# KiCad board M92 Bluetooth Adapter Motherboard.kicad_pcb (continued)
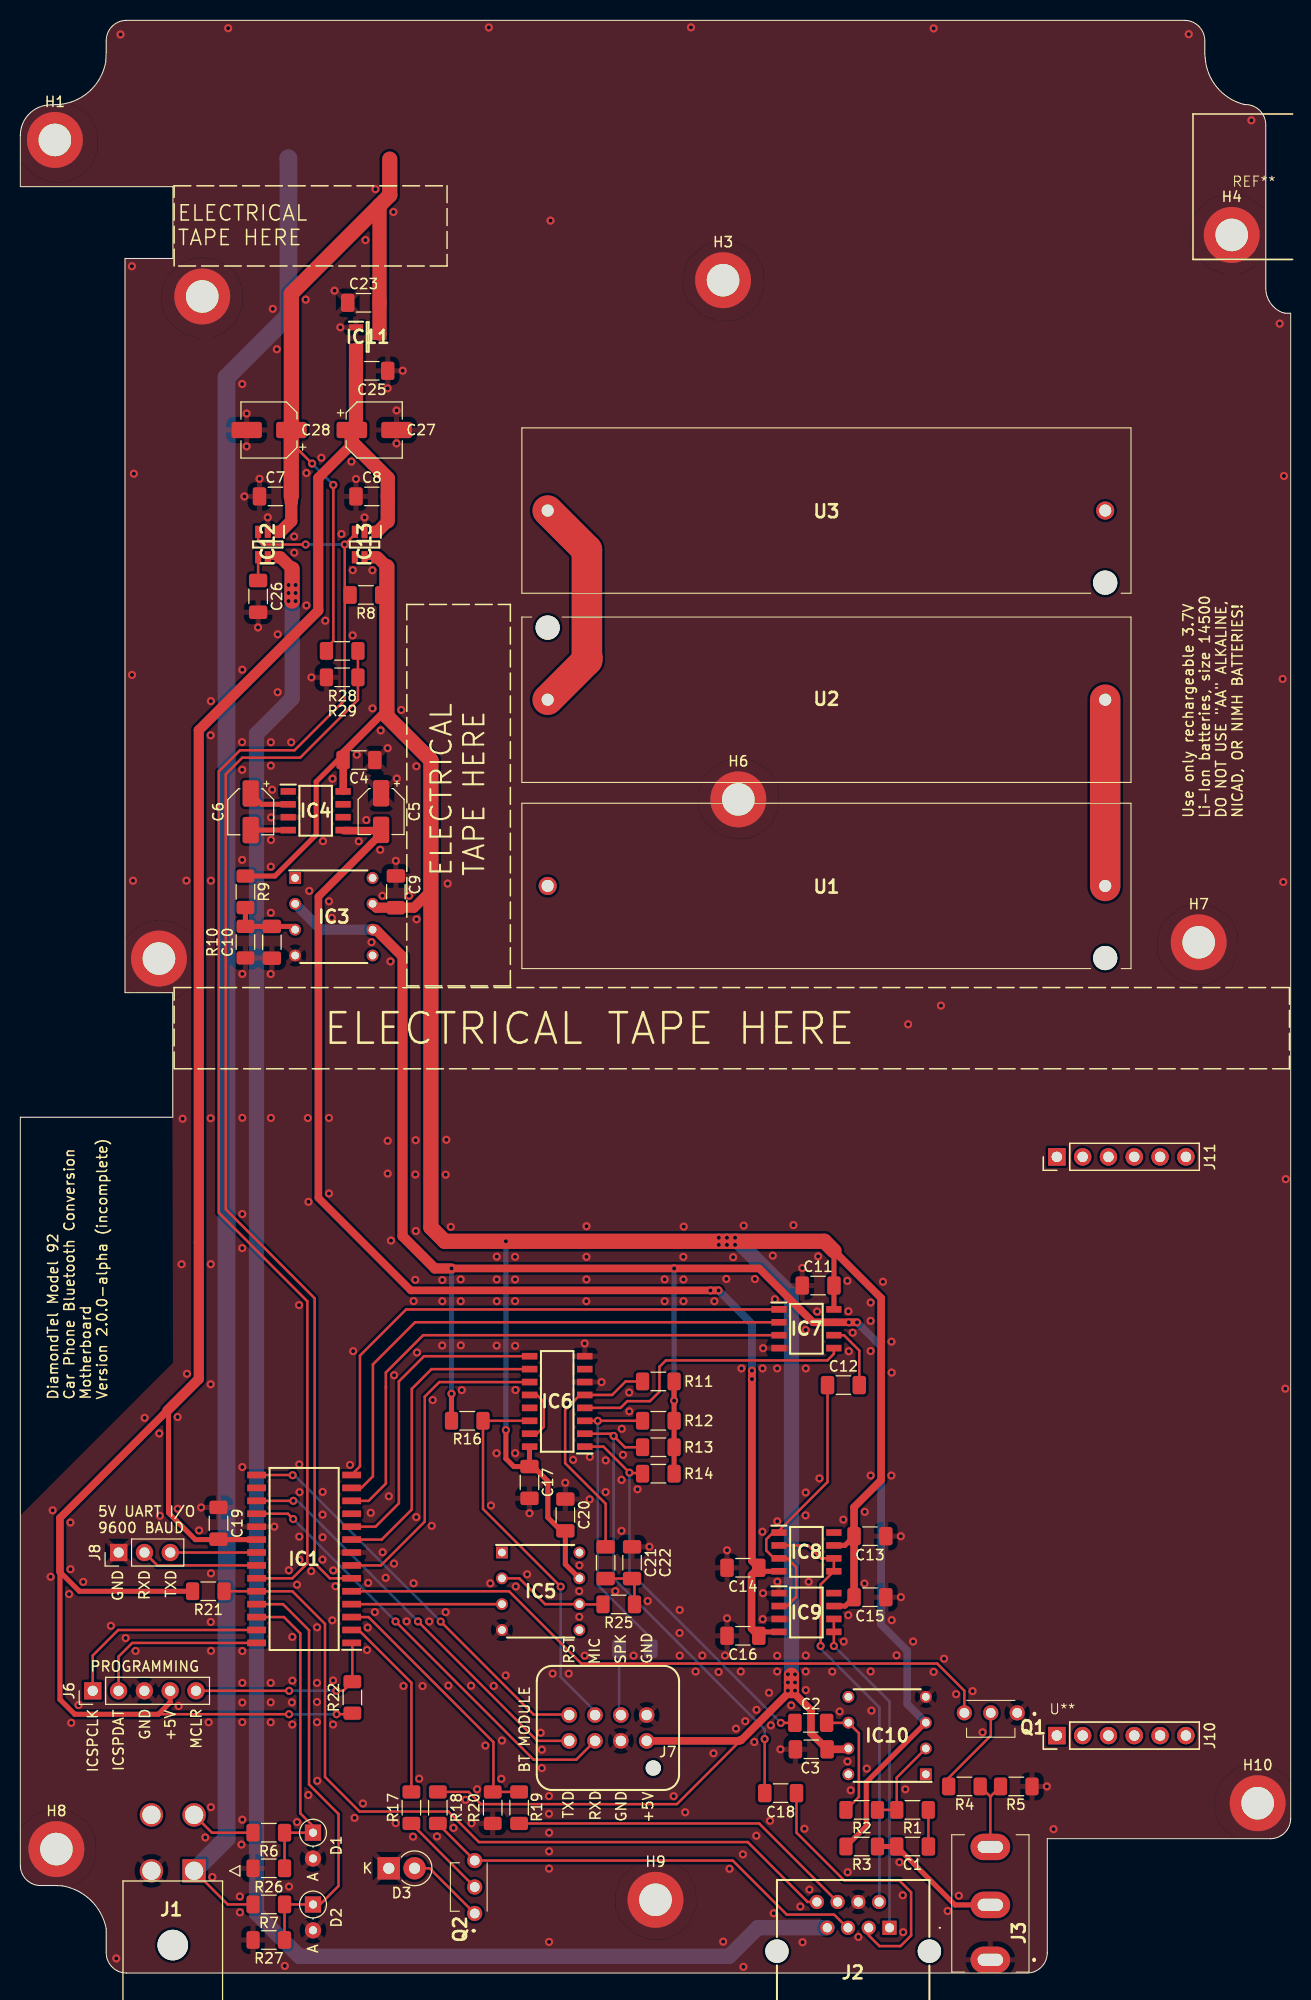
[diagram p0: board, top side]
## Library data of the parts (continued)
R25 = -: Description: Resistor; Height: 0.6; JLCPCB Part #: C465505; Manufacturer_Name: Bourns; Manufacturer_Part_Number: CR1206-FX-7501ELF; Mouser Part Number: 652-CR1206FX-7501ELF; Mouser Price/Stock: https://www.mouser.com/ProductDetail/Bourns/CR1206-FX-7501ELF?qs=x5wsLs3ZZ83yIqak1mVbqw%3D%3D
R28 = -: Description: Resistor; Height: 0.6; JLCPCB Part #: C286669; Manufacturer_Name: Bourns; Manufacturer_Part_Number: CR1206-FX-5603ELF; Mouser Part Number: 652-CR1206FX-5603ELF; Mouser Price/Stock: https://www.mouser.com/ProductDetail/Bourns/CR1206-FX-5603ELF?qs=O4EQhShwvro3dlk2jEyADg%3D%3D
R29 = -: Description: Resistor; Height: 0.6; JLCPCB Part #: C491352; Manufacturer_Name: Bourns; Manufacturer_Part_Number: CR1206-FX-3303ELF; Mouser Part Number: 652-CR1206FX-3303ELF; Mouser Price/Stock: https://www.mouser.com/ProductDetail/Bourns/CR1206-FX-3303ELF?qs=raSpJxvwqHE5WwCUcAsRuA%3D%3D
U1-U3 = -: Description: KEYSTONE - 1028 - BATTERY HOLDER, 1 CELL, AA; Height: 15.49; JLCPCB Part #: C238063; Manufacturer: Keystone Electronics

## Footprints (pads in the part's own frame, mm; a bottom-side part is the same pattern mirrored in y, then rotated)
1028
  round 2.38 hole 2.38 unplated: (0,7.09)
  round 1.785 hole 1.19: 1(0,0) 2(54.86,0)
172448-YY04
  round 3 hole 3 unplated: (-2.1,-7.3)
  rect 2.3x2.3 hole 1.8: 1(0,0)
  round 2.3 hole 1.8: 2(-4.2,0) 3(0,5.5) 4(-4.2,5.5)
BC33740TA
  round 1.493 hole 0.96: 1(-1.7,-0.585) 2(0.9,-0.585) 3(3.5,-0.585)
C_1206_3216Metric_Pad1.33x1.80mm_HandSolder
  rrect 1.325x1.8 smd: 1(-1.562,0) 2(1.562,0)
CP_Elec_4x5.4
  rrect 2.6x1.6 smd: 1(-1.8,0) 2(1.8,0)
CP_Elec_5x5.4
  rrect 3x1.6 smd: 1(-2.2,0) 2(2.2,0)
D_DO-35_SOD27_P2.54mm_Vertical_AnodeUp
  rect 1.6x1.6 hole 0.8: 1(0,0)
  oval 1.6x1.6 hole 0.8: 2(2.54,0)
D_DO-41_SOD81_P2.54mm_Vertical_KathodeUp
  rect 2.2x2.2 hole 1.1: 1(0,0)
  oval 2.2x2.2 hole 1.1: 2(2.54,0)
DIP762W56P254L880H425Q8N
  rect 1.16x1.16 hole 0.76: 1(-3.81,3.81)
  round 1.16 hole 0.76: 2(-3.81,1.27) 3(-3.81,-1.27) 4(-3.81,-3.81) 5(3.81,-3.81) 6(3.81,-1.27) 7(3.81,1.27) 8(3.81,3.81)
JAE_DRA-8SC-F0
  round 1.5 hole 1.5 unplated: (-0.65,5.21)
  round 1.53 hole 1.02: 1(0,0) 2(2.54,0) 3(5.08,0) 4(7.62,0) 5(0,2.54) 6(2.54,2.54) 7(5.08,2.54) 8(7.62,2.54)
KYCON_GLX-N-88M
  round 2.3 hole 2.3 unplated: (-11.07,-2.3) (3.93,-2.3)
  rect 1.4x1.4 hole 0.9: 1(0,0)
  round 1.4 hole 0.9: 2(-1.02,2.54) 3(-2.04,0) 4(-3.06,2.54) 5(-4.08,0) 6(-5.1,2.54) 7(-6.12,0) 8(-7.14,2.54)
MJ3502N
  oval 2.6x3.9 hole 1.2x2.5: 1(0,0) 2(5.4,0) 3(11.1,0)
MountingHole_3.2mm_M3_ISO14580_Pad
  round 5.5 hole 3.2: 1(0,0)
PinHeader_1x03_P2.54mm_Vertical
  rect 1.7x1.7 hole 1: 1(0,0)
  oval 1.7x1.7 hole 1: 2(0,-2.54) 3(0,-5.08)
PinHeader_1x05_P2.54mm_Vertical
  rect 1.7x1.7 hole 1: 1(0,0)
  oval 1.7x1.7 hole 1: 2(0,-2.54) 3(0,-5.08) 4(0,-7.62) 5(0,-10.16)
PinHeader_1x06_P2.54mm_Vertical
  rect 1.7x1.7 hole 1: 1(0,0)
  oval 1.7x1.7 hole 1: 2(0,-2.54) 3(0,-5.08) 4(0,-7.62) 5(0,-10.16) 6(0,-12.7)
Programming Port
  rect 1.7x1.7 hole 1: 1(-0.05,0) 7(-0.05,56.9)
  oval 1.7x1.7 hole 1: 2(2.49,0) 3(5.03,0) 4(7.57,0) 5(10.11,0) 6(12.65,0) 8(2.49,56.9) 9(5.03,56.9) 10(7.57,56.9) 11(10.11,56.9) 12(12.65,56.9)
R_1206_3216Metric_Pad1.30x1.75mm_HandSolder
  rrect 1.3x1.75 smd: 1(-1.55,0) 2(1.55,0)
SOIC127P600X175-8N
  rect 1.5x0.65 smd: 1(-2.7,1.905) 2(-2.7,0.635) 3(-2.7,-0.635) 4(-2.7,-1.905) 5(2.7,-1.905) 6(2.7,-0.635) 7(2.7,0.635) 8(2.7,1.905)
SOIC127P600X175-16N
  rect 1.525x0.65 smd: 1(-2.712,4.445) 2(-2.712,3.175) 3(-2.712,1.905) 4(-2.712,0.635) 5(-2.712,-0.635) 6(-2.712,-1.905) 7(-2.712,-3.175) 8(-2.712,-4.445) 9(2.712,-4.445) 10(2.712,-3.175) 11(2.712,-1.905) 12(2.712,-0.635) 13(2.712,0.635) 14(2.712,1.905) 15(2.712,3.175) 16(2.712,4.445)
SOIC127P1030X265-28N
  rect 1.85x0.65 smd: 1(-4.675,8.255) 2(-4.675,6.985) 3(-4.675,5.715) 4(-4.675,4.445) 5(-4.675,3.175) 6(-4.675,1.905) 7(-4.675,0.635) 8(-4.675,-0.635) 9(-4.675,-1.905) 10(-4.675,-3.175) 11(-4.675,-4.445) 12(-4.675,-5.715) 13(-4.675,-6.985) 14(-4.675,-8.255) 15(4.675,-8.255) 16(4.675,-6.985) 17(4.675,-5.715) 18(4.675,-4.445) 19(4.675,-3.175) 20(4.675,-1.905) 21(4.675,-0.635) 22(4.675,0.635) 23(4.675,1.905) 24(4.675,3.175) 25(4.675,4.445) 26(4.675,5.715) 27(4.675,6.985) 28(4.675,8.255)
SOT95P255X145-3N
  rect 1.4x0.6 smd: 1(-1.15,0.95) 2(-1.15,-0.95) 3(1.15,0)
SOT95P280X145-6N
  rect 1.2x0.6 smd: 1(-1.25,0.95) 2(-1.25,0) 3(-1.25,-0.95) 4(1.25,-0.95) 5(1.25,0) 6(1.25,0.95)

## Nets
+2V5_Switched: IC3.2 IC3.6 IC7.7 IC10.3 R3.1 R11.2 R12.2 R13.2 R14.2 R16.1
+5V: C8.1 C19.2 C25.2 C27.1 IC1.20 IC11.2 IC13.1 J6.4 R21.1 R22.1
+5V_Switched: C3.2 C4.2 C9.2 C11.1 C13.1 C15.1 C17.1 C20.1 IC3.7 IC4.8 IC5.7 IC6.16 IC7.8 IC8.7 IC9.7 IC10.7 IC13.5 IC13.6 J7.5 R8.1 R9.1 R18.1
-5V_Switched: C5.2 C14.1 C16.1 IC4.5 IC8.4 IC9.4
GND: C3.1 C4.1 C5.1 C7.2 C8.2 C9.1 C10.2 C11.2 C13.2 C14.2 C15.2 C16.2 C17.2 C19.1 C20.2 C22.1 C23.2 C25.1 C26.2 C27.2 C28.2 D1.2 D2.2 D3.1 H1.1 H2.1 H3.1 H4.1 H5.1 H6.1 H7.1 H8.1 H9.1 H10.1 IC1.8 IC1.19 IC3.4 IC4.3 IC5.4 IC6.6 IC6.8 IC7.4 IC9.1 IC9.3 IC10.4 IC11.1 IC12.2 IC13.2 J1.2 J2.4 J3.1 J6.3 J7.1 J7.6 J8.1 Q1.1 R5.1 R10.2 R20.2 R26.1 R27.1 R29.2
+BATT: C7.1 C23.1 C28.1 IC11.3 IC12.1 R28.1
+BATT_Switched: IC12.5 IC12.6 J2.7
/Audio/Audio Out (Volume-Adjusted): C12.1 IC8.1 IC8.3 IC9.2
/Power Supply/External Power Supply Voltage (5-24V): J1.1 R7.2
AUDIO_OUT: IC6.4 IC7.5
BT_AUDIO: C24.1 IC6.3 R12.1
BT_MIC_AUDIO: IC6.14 J7.3 R16.2
DIFF_AUDIO_OUT: IC8.2 IC8.5 IC8.6 J2.2
EXT_MIC_AUDIO: C2.1 IC6.1 R14.1
HANDSET_MIC_AUDIO: C18.1 IC6.2 R13.1
HANDSET_UART_RX: J2.5 Q2.3 R18.2
HANDSET_UART_TX: J2.6 R19.2
MCU_AUDIO_DAC: IC1.4 IC5.3
MCU_AUDIO_FILTERED: C21.2 IC6.5 R11.1
MCU_BATT_VOLTAGE_DETECT: IC1.6 R28.2 R29.1
MCU_BT_AUDIO_SELECT: IC1.10 IC6.9
MCU_BT_RESET: IC1.15 J7.4
MCU_BT_UART_RX: IC1.17 J7.8
MCU_BT_UART_TX: IC1.18 J7.7
MCU_EXT_MIC_DETECT: IC1.5 Q1.3
MCU_EXT_MIC_SELECT: IC1.9 IC6.10
MCU_EXT_PWR_DETECT: D2.1 IC1.25 R7.1 R27.2
MCU_HANDSET_PWR_BTN: IC1.24 J2.8 R21.2
MCU_HANDSET_UART_RX: IC1.3 R19.1 R20.1
MCU_IGN_DETECT: D1.1 IC1.26 R6.1 R26.2
MCU_IO_UART_RX: IC1.22 J8.2
MCU_IO_UART_TX: IC1.21 J8.3
MCU_MIC_DISABLE: IC1.7 IC6.11
MCU_SWITCHED_POWER_ENABLE: IC1.23 IC12.3 IC13.3 R8.2
MCU_VOL_SPI_CS: IC1.14 IC7.1
MCU_VOL_SPI_SCK: IC1.13 IC7.2
MCU_VOL_SPI_SDIO: IC1.12 IC7.3
~{DIFF_AUDIO_OUT}: IC9.5 IC9.6 J2.1
~{MCU_HANDSET_UART_TX}: IC1.2 R17.2
Net-(C1-Pad1): C1.1 R1.2
Net-(C1-Pad2): C1.2 J3.2 R3.2
Net-(C18-Pad2): C18.2 J2.3
Net-(C21-Pad1): C21.1 C22.2 R25.2
Net-(C24-Pad2): C24.2 J7.2
Net-(D3-A): D3.2 Q2.1
Net-(IC1-RB6/ICSPCLK): IC1.27 J6.1
Net-(IC1-RB7/ICSPDAT): IC1.28 J6.2
Net-(IC1-~{MCLR}/VPP/RE3): IC1.1 J6.5 R22.2
Net-(IC3-IN+): C10.1 IC3.3 R9.2 R10.1
Net-(IC4-CAP+): C6.1 IC4.2
Net-(IC4-CAP-): C6.2 IC4.4
Net-(IC5-IN-): IC5.2 IC5.6 R25.1
Net-(IC6-X0): IC6.12 IC6.15
Net-(IC7-P0W): C12.2 IC7.6
Net-(IC10-IN-): IC10.2 R1.1 R2.1
Net-(IC10-OUT): C2.2 IC10.6 R2.2
Net-(IC12-CT): C26.1 IC12.4
Net-(J1-Pad3): J1.3 R6.2
Net-(J3-Pad3): J3.3 R4.2 R5.2
Net-(Q1-B): Q1.2 R4.1
Net-(Q2-B): Q2.2 R17.1
Net-(U1-+): U1.1 U2.2
Net-(U2-+): U2.1 U3.2

Pads without a net: IC1 11 16; IC3 1 5 8; IC4 1 6 7; IC5 1 5 8; IC6 7 13; IC8 8; IC9 8; IC10 1 5 8; IC13 4; J1 4; J10 1 2 3 4 5 6; J11 1 2 3 4 5 6; U1 2; U3 1; U** 1 2 3 4 5 6 7 8 9 10 11 12

## Via types
v1: diameter 0.8, hole 0.4, Top to Bottom, 455 vias

## Routing (per net, layer and track width the routed paths; a pad name or vN(x,y) marks a point on that pad's centre or on a via; arc(x,y) is an arc through that point)
+2V5_Switched: length 184.3
  Top w0.5: 82.13,63.99 v1(81.52,63.99) ; R14.2 R13.2 R12.2 R11.2 ; R3.1 83.24,14.44 83.24,18.76 IC10.3 ; R16.1 v1(42.43,56.96)
  Top w0.75: 82.13,63.99 IC7.7 78,63.99 72.7,69.28 v1(64.33,69.28) v1(42.43,69.28)
  Top w1: v1(42.43,69.28) 40.78,69.28 37.61,72.45 37.61,99.95 34.97,102.59 IC3.6
  Bottom w0.5: v1(64.33,56.28) v1(64.33,69.28) ; v1(42.43,56.96) 42.43,69.28 v1(42.43,69.28)
  Bottom w0.75: IC10.3 87.27,26.45 87.27,31.69 84.7,34.26 84.7,61.61 v1(82.33,63.98) 82.17,63.98 82.16,63.99 v1(81.52,63.99)
  Bottom w1: IC3.2 29.58,102.59 IC3.6
+5V: length 222.6
  Top w0.25: 33.03,157.54 33.02,157.53 ; v1(26.44,25.45) 13.58,25.45 13.57,25.44 ; v1(31.12,25.45) 32.57,25.45 R22.1
  Top w0.5: 14.46,55.31 14.58,55.2 14.58,45.26 17.22,42.62 IC1.20 ; J6.4 14.74,26.62 13.57,25.44 5.35,25.44 3.9,26.9 3.9,39.45 5.81,37.54 R21.1
  Top w0.75: 14.46,55.31 3.9,44.75 3.9,39.45
  Top w1: 14.46,55.31 17.56,58.41 17.56,122.2 29.32,133.96 29.32,147 32.42,150.1 32.42,151.52 C27.1
  Top w1.2: 36.15,142.74 35.12,141.71 ; 33.03,157.54 C25.2
  Top w1.4: 33.03,159.58 33.03,157.54 ; C25.2 33.03,152.13 C27.1 32.62,150.51 36.15,146.98 C8.1 36.15,142.74
  Bottom w0.25: v1(31.12,25.45) v1(26.44,25.45)
+5V_Switched: length 340.4
  Top w0.25: R18.1 44.11,17.81 45.31,16.61 64.61,16.61 70.73,22.73 70.73,22.88 ; 50.41,51.75 50.43,51.76 ; 55.03,38.83 IC5.7 ; 81.4,22 IC10.7
  Top w0.5: v1(47.78,53.39) 47.78,50.58 48.56,49.8 C17.1 ; 80.24,67.42 C11.1 ; C11.1 80.06,65.27 IC7.8 ; C11.1 80.06,71.01 ; IC5.7 53.63,40.19 C20.1 53.22,43.48 51.91,44.79 51.91,48.37 50.48,49.8 C17.1 ; IC9.7 81.17,36.09 C15.1 ; 50.1,51.75 50.1,51.74 C17.1 ; R9.1 25.05,107.86 29.11,111.92 29.11,117.14 31.24,119.27 C4.2 ; IC13.6 IC13.5 ; IC8.7 81.13,42.05 C13.1
  Top w0.75: C15.1 C13.1 82.04,45.81 84.7,48.47 84.7,66.37 79.12,71.95 ; 36.07,124.27 31.76,119.96 C4.2 31.77,119.26 31.77,116.2 ; 70.78,22.88 70.73,22.83 J7.5 ; 70.73,22.88 70.92,22.88 75.81,27.77 75.88,27.77 77.8,25.85 77.8,23.59 C3.2 81.4,22
  Top w1: IC3.7 35.04,104.75 C9.2 38.73,104.75 40.4,106.42
  Top w1.2: 36.07,138.28 35.14,139.21
  Top w1.5: 75.88,29.28 75.88,27.77 ; 80.06,71.01 79.12,71.95 41.76,71.95 40.4,73.31 40.4,119.25 36.07,123.58 36.07,138.28
  Bottom w0.5: v1(47.78,53.39) v1(47.78,71.95)
  Bottom w1.5: 75.88,27.77 75.88,66.67 70.6,71.95 68.7,71.95
  vias: v1(68.73,72.3) v1(68.73,71.6) v1(69.53,72.3) v1(69.53,71.6) v1(70.33,72.3) v1(70.33,71.6) v1(75.53,29.38) v1(75.53,28.57) v1(75.53,27.77) v1(76.23,29.37) v1(76.23,28.57) v1(76.23,27.77)
-5V_Switched: length 127.7
  Top w0.5: 73.01,39.5 74.65,39.5 ; 73.04,33.54 74.65,33.54
  Top w0.75: C14.1 71.99,40.52 v1(71.99,59.23) ; C14.1 73.01,39.5 ; C14.1 71.95,39.14 71.95,33.87 C16.1 73.04,33.54 ; 35.5,112 29.33,105.83 29.33,76.22 38.43,67.12 v1(67.9,67.12) v1(68.7,67.12) ; 35.43,113.04 35.5,113.11 35.5,112.71 ; 35.43,112.33 31.81,112.33
  Bottom w0.75: v1(71.99,58.4) v1(71.99,59.23) 71.99,63.83 v1(68.7,67.12) v1(67.9,67.12)
GND: length 0.5
  Top w0.5: 32.21,163.68 C23.2
  vias: v1(2.98,38.96) v1(3.18,45.5) v1(4.8,37.26) v1(4.93,44.3) v1(4.93,39.71) v1(5.01,24.6) v1(5.73,26.35) v1(6.19,38.46) v1(8.91,34.14) v1(9.44,1.44) v1(9.86,190.61) v1(10.36,32.94) v1(10.98,167.82) v1(10.99,127.64) v1(11.09,107.4) v1(11.17,147.42) v1(11.34,31.67) v1(12.23,54.59) v1(13.67,53.06) v1(13.73,44.96) v1(15.48,54.67) v1(15.49,45.65) v1(15.58,26.25) v1(15.87,69.69) v1(15.97,84) v1(16.34,107.41) v1(16.4,58.92) v1(17.59,43.52) v1(17.79,45.78) v1(18.2,13.33) v1(18.53,24.66) v1(18.75,125.06) v1(18.73,121.7) v1(18.75,107.41) v1(18.73,84.05) v1(18.74,69.7) v1(18.73,57.89) v1(18.76,39.3) v1(18.74,34.52) v1(18.76,31.68) v1(18.75,16.31) v1(18.89,9.44) v1(20.45,191.23) v1(21.6,7.53) v1(21.61,5.97) v1(21.76,12.63) v1(21.83,156.24) v1(21.84,128.15) v1(21.82,121.03) v1(21.83,118.31) v1(21.83,109.45) v1(21.84,98.24) v1(21.84,84.09) v1(21.84,74.63) v1(21.83,71.28) v1(21.84,49.75) v1(21.84,31.66) v1(21.84,28.53) v1(21.84,26.6) v1(21.84,24.67) v1(21.84,15.08) v1(22.05,145.19) v1(22.27,153.34) v1(22.27,150.11) v1(23.39,132.31) v1(23.54,146.92) v1(24.35,143.13) v1(24.65,121.02) v1(24.65,118.72) v1(24.67,113.63) v1(24.67,111.41) v1(24.65,108.78) v1(24.65,104.25) v1(24.64,98.23) v1(24.66,84.08) v1(24.64,28.53) v1(24.64,26.62) v1(24.64,24.66) v1(24.78,116.35) v1(24.84,163.63) v1(24.99,43.89) v1(25.24,159.66) v1(25.33,131.63) v1(25.32,125.94) v1(26.02,0.7) v1(26.42,39.6) v1(26.44,8.5) v1(26.65,121.02) v1(26.76,33.05) v1(26.77,28.75) v1(26.72,26.61) v1(26.76,24.44) v1(26.94,141.25) v1(26.95,139.66) v1(27.22,38.18) v1(27.23,14.84) v1(27.43,65.68) v1(27.44,50.01) v1(27.47,47.28) v1(27.45,42.91) v1(27.46,40.61) v1(28.08,164.54) v1(28.15,147.49) v1(28.15,134.47) v1(28.29,84.07) v1(28.35,75.83) v1(28.34,17.5) v1(28.43,106.4) v1(28.64,127.4) v1(28.62,39.52) v1(29.2,34) v1(29.19,28.53) v1(29.19,26.65) v1(29.19,24.67) v1(29.22,18.9) v1(29.62,148.99) v1(29.78,111.29) v1(29.75,47.31) v1(29.74,45.07) v1(29.74,42.85) v1(29.73,40.65) v1(30.01,132.97) v1(30.37,105.38) v1(30.37,84.08) v1(30.37,76.65) v1(30.65,103.75) v1(30.7,34.68) v1(30.72,117.43) v1(30.79,39.59) v1(30.77,28.77) v1(30.77,24.44) v1(30.92,165.42) v1(31.01,38.03) v1(31.49,161.82) v1(31.6,141.49) v1(32.44,49.96) v1(32.58,148.62) v1(32.7,131.53) v1(32.71,137.94) v1(32.75,61.15) v1(32.89,15.26) v1(33.03,146.9) v1(33.11,119.79) v1(33.3,111.28) v1(33.71,16.67) v1(33.87,143.12) v1(33.96,170.39) v1(34.04,113.37) v1(34.18,33.97) v1(34.11,31.77) v1(34.23,38.36) v1(34.48,45.25) v1(34.55,101.36) v1(34.64,137.93) v1(34.65,124.35) v1(34.88,35.49) v1(34.94,175.4) v1(35.46,122.18) v1(35.41,110.44) v1(35.63,105.92) v1(35.65,41.38) v1(35.95,38.86) v1(36.14,155.82) v1(36.15,120.44) v1(36.15,81.83) v1(36.15,78.61) v1(36.26,46.88) v1(36.42,99.47) v1(36.47,72.02) v1(36.71,173.16) v1(36.78,58.78) v1(36.77,40.26) v1(36.95,109.36) v1(36.94,14.74) v1(37.02,153.64) v1(37.02,150.4) v1(37.04,117.45) v1(37.49,124.19) v1(37.63,157.55) v1(37.7,28.23) v1(38.01,34.58) v1(38.25,105.92) v1(38.7,66.07) v1(38.7,38.33) v1(38.64,13.41) v1(38.9,81.89) v1(38.87,78.52) v1(38.86,68.16) v1(38.97,118.66) v1(38.99,103.61) v1(38.92,72.96) v1(38.96,44.83) v1(39.03,61.01) v1(39.25,19.11) v1(39.58,28.22) v1(40.24,34.57) v1(40.48,43.97) v1(40.58,56.34) v1(41,13.43) v1(41.52,68.14) v1(41.52,66.06) v1(41.51,61.71) v1(41.86,78.5) v1(41.85,35.49) v1(41.92,81.93) v1(42.05,107.12) v1(42.12,28.26) v1(42.36,73.37) v1(42.62,14.27) v1(43.33,68.21) v1(43.33,66.06) v1(43.34,61.72) v1(43.44,57.32) v1(43.8,17.03) v1(44.35,28.25) v1(44.4,14.73) v1(44.95,18.07) v1(45.76,22.37) v1(46.1,191.3) v1(46.24,38.32) v1(46.31,45.97) v1(46.58,28.23) v1(46.88,70.44) v1(46.88,68.2) v1(46.88,66.06) v1(46.87,61.69) v1(46.86,51.11) v1(47.39,22.86) v1(47.33,19.1) v1(47.76,29.26) v1(48.68,70.42) v1(48.68,68.2) v1(48.68,66.07) v1(48.69,61.67) v1(48.69,51.12) v1(48.72,57.33) v1(48.75,38.01) v1(49.87,39.21) v1(50.1,45.21) v1(51.2,23.63) v1(51.32,21.96) v1(51.32,20.15) v1(52.02,17.4) v1(52.02,15.66) v1(52.03,13.8) v1(52.03,11.97) v1(52.03,10.27) v1(52.03,3.06) v1(52.17,172.31) v1(52.38,29.44) v1(53.62,48.21) v1(53.96,29.44) v1(54.39,50.46) v1(54.99,37.55) v1(55,35.02) v1(55.01,40.09) v1(55.53,61.91) v1(55.53,31.21) v1(55.7,70.42) v1(55.7,68.2) v1(55.69,66.06) v1(55.71,73.43) v1(56.04,50.75) v1(56.02,46.57) v1(57.19,58.1) v1(57.59,47.29) v1(57.6,50.41) v1(58.54,37.55) v1(59.19,53.51) v1(59.16,48.49) v1(59.16,43.48) v1(59.3,50.95) v1(59.91,57.08) v1(59.92,55.23) v1(60.34,31.21) v1(60.73,47.57) v1(61.73,36.58) v1(61.9,41.92) v1(63.4,68.21) v1(63.4,66.06) v1(64.29,17.39) v1(64.88,35.7) v1(64.87,33.44) v1(64.88,31.21) v1(65.28,73.39) v1(65.24,70.42) v1(65.25,68.2) v1(65.25,66.06) v1(65.42,15.81) v1(65.99,191.31) v1(66.44,29.65) v1(67.1,31.22) v1(68.29,66.06) v1(68.21,21.61) v1(68.71,29.6) v1(69.16,3.09) v1(69.34,31.22) v1(69.47,68.25) v1(69.54,41.57) v1(69.54,34.88) v1(69.78,10.25) v1(70.14,70.39) v1(70.42,24.03) v1(70.89,29.65) v1(70.96,59.45) v1(71.18,73.49) v1(71.1,11.67) v1(71.15,0.61) v1(71.33,24.76) v1(72.28,68.24) v1(72.22,22.72) v1(72.44,25.88) v1(72.42,13.5) v1(73.09,61.44) v1(73.03,59.45) v1(73.02,43.39) v1(73.08,37.35) v1(73.05,34.8) v1(73.67,27.56) v1(73.77,14.97) v1(73.85,24.36) v1(74.04,70.54) v1(74.13,5.88) v1(74.25,66.26) v1(74.47,59.45) v1(74.48,44.42) v1(74.49,38.48) v1(74.47,31.2) v1(74.47,29.65) v1(74.79,22) v1(75.85,26.32) v1(76.07,73.54) v1(76.75,6.54) v1(76.94,69.32) v1(76.97,3.03) v1(77.15,14.19) v1(77.28,63.23) v1(77.29,59.45) v1(77.28,47.25) v1(77.27,45) v1(77.29,31.22) v1(77.28,29.65) v1(77.29,27.82) v1(77.57,38.47) v1(77.65,8.2) v1(78.5,70.47) v1(78.4,65.04) v1(78.63,48.64) v1(79.89,29.64) v1(80.62,25.72) v1(80.98,44.58) v1(81.02,32.6) v1(81.38,68.06) v1(81.39,20.81) v1(81.48,65.07) v1(81.47,35.19) v1(81.41,9.91) v1(81.52,61.14) v1(81.71,17.97) v1(81.9,62.96) v1(82.46,3.55) v1(83.09,45.35) v1(83.06,38.3) v1(83.29,20.1) v1(83.67,65.93) v1(83.67,64.12) v1(83.67,61.16) v1(83.67,48.92) v1(83.67,29.66) v1(83.75,25.8) v1(84.88,67.97) v1(85.72,62.08) v1(85.74,59.04) v1(85.71,48.92) v1(85.74,34.7) v1(86.22,31.24) v1(86.5,10.9) v1(86.64,42.95) v1(86.65,36.96) v1(86.83,7.65) v1(86.87,4.02) v1(87.08,18.07) v1(87.36,93.29) v1(87.85,32.6) v1(89.87,191.21) v1(89.87,29.61) v1(90.59,95.12) v1(90.89,30.91) v1(91.25,6.1) v1(92.08,27.42) v1(92.35,7.6) v1(93.7,27.72) v1(94.68,23.67) v1(101.01,18.35) v1(101.67,14.15) v1(114.97,190.64) v1(121.13,182.17) v1(123.92,162.18) v1(124.21,127.24) v1(124.27,107.28) v1(124.34,147.2) v1(124.47,57.46) v1(124.52,78.06)
+BATT: length 77.4
  Top w0.25: C28.1 26.67,150.46 v1(28.71,148.42) ; v1(30.8,146.32) 30.8,130.98 30.12,130.3 R28.1
  Top w1.2: C7.1 26.66,142.77 25.6,141.71
  Top w1.4: 35.34,173.8 C23.1 35.34,161.21 35.33,161.2
  Top w1.5: 36.35,178.35 36.35,174.81 26.67,165.13 C28.1 26.66,151.71 C7.1
  Bottom w0.25: v1(30.8,146.32) 28.71,148.41 v1(28.71,148.42)
+BATT_Switched: length 196.8
  Top w0.5: IC12.6 IC12.5
  Top w1.2: 26.74,138.06 25.59,139.21
  Top w1.5: 26.74,134.9 26.74,138.06
  Bottom w1.5: 26.74,136.45 26.74,125.34 23.24,121.84 23.24,5.86 27.45,1.65 69.75,1.65 72.55,4.45 J2.7
  vias: v1(26.39,136.48) v1(26.39,135.69) v1(26.39,134.9) v1(27.09,136.48) v1(27.09,135.69) v1(27.09,134.9)
/Audio/Audio Out (Volume-Adjusted): length 27.7
  Top w0.25: IC9.2 75.44,36.09 76.35,36.99 76.35,39.9 75.47,40.78 IC8.3 74.18,40.78 73.4,41.55 73.4,42.65 74.06,43.31 IC8.1 74.65,43.5 79.43,48.28 C12.1
/Power Supply/External Power Supply Voltage (5-24V): length 179.4
  Top w0.25: R7.2 20.4,6.75 J1.1
  Bottom w1.75: J1.1 20.29,13.24 20.29,156.89 26.38,162.98 26.38,178.42 26.37,178.43
AUDIO_OUT: length 28.7
  Top w0.25: IC6.4 59.06,55.57 59.72,56.23 61.95,56.23 62.89,57.17 62.89,59.61 63.52,60.24 79.41,60.24 80.05,60.88 IC7.5
BT_AUDIO: length 30.3
  Top w0.25: R12.1 IC6.3
  Bottom w0.25: C24.1 62.04,32.93 56.82,38.16 56.82,54.3 v1(56.82,54.3)
BT_MIC_AUDIO: length 38.1
  Top w0.25: v1(53.17,37.99) 45.53,45.63 R16.2 IC6.14
  Bottom w0.25: J7.3 56.55,25.73 53.17,29.11 v1(53.17,37.99)
DIFF_AUDIO_OUT: length 42.7
  Top w0.25: 78.75,31.9 78.75,38.21 IC8.5 IC8.6 78.78,40.78 77.5,42.05 IC8.2
  Bottom w0.25: 78.75,31.9 84.53,26.12 84.53,7.03 J2.2
  vias: v1(78.75,32.16)
EXT_MIC_AUDIO: length 38.9
  Top w0.25: R14.1 61.17,49.16 59.98,49.16 v1(59.94,49.2) 57.38,51.76 IC6.1 ; v1(74.83,24.6) C2.1
  Bottom w0.25: v1(74.83,24.6) 59.94,39.49 v1(59.94,49.2)
HANDSET_MIC_AUDIO: length 47.5
  Top w0.25: IC6.2 58.16,53.03 v1(58.38,52.81) 59.49,51.7 R13.1 ; v1(73.24,23.01) 73.24,17.7 C18.1
  Bottom w0.25: v1(73.24,23.01) 73.24,23.96 58.38,38.82 v1(58.38,52.81)
HANDSET_UART_RX: length 44.6
  Top w0.25: 81.54,4.45 81.38,4.45 80.08,5.75 ; R18.2 41.08,14.69 Q2.3 70.1,11.06 75.41,5.75 79.98,5.75
HANDSET_UART_TX: length 34.5
  Top w0.25: J2.6 72.7,14.71 R19.2
MCU_AUDIO_DAC: length 14.8
  Top w0.25: IC1.4 IC5.3
MCU_AUDIO_FILTERED: length 23.9
  Top w0.25: R11.1 59.56,58.17 58.23,56.84 IC6.5 55.07,56.84 53.61,55.38 53.61,50.13 57.59,46.15 C21.2
MCU_BATT_VOLTAGE_DETECT: length 106.3
  Top w0.25: R28.2 33.22,125.18 27.54,119.5 21.84,119.5 20.22,117.88 20.22,75.09 28.96,66.35 28.96,40.31 30.46,38.81 IC1.6
MCU_BT_AUDIO_SELECT: length 31.5
  Top w0.25: IC6.9 39.72,60.65 37.24,58.18 37.24,46.19 34.95,43.89 IC1.10
MCU_BT_RESET: length 40.7
  Top w0.25: v1(41.36,34.56) 50.5,25.42 53.96,25.42 J7.4 53.81,25.37 ; IC1.15 26.78,48.97 v1(26.8,48.95)
  Bottom w0.25: v1(41.36,34.56) 26.97,48.95 v1(26.8,48.95)
MCU_BT_UART_RX: length 40.5
  Top w0.25: 26.82,46.43 IC1.17 ; J7.8 50.87,22.83 v1(39.13,34.57)
  Bottom w0.25: 26.82,46.43 27.27,46.43 v1(39.13,34.57)
  vias: v1(26.86,46.43)
MCU_BT_UART_TX: length 44
  Top w0.25: v1(26.85,44.64) 26.33,45.16 IC1.18 ; v1(36.92,34.57) 50.51,20.98 54.7,20.98 56.35,22.63 56.35,22.83
  Bottom w0.25: v1(26.85,44.64) v1(36.92,34.57)
MCU_EXT_MIC_DETECT: length 66.5
  Top w0.25: Q1.3 92.89,27.76 90.22,30.43 55.2,30.43 48.09,37.54 IC1.5
MCU_EXT_MIC_SELECT: length 31.4
  Top w0.25: IC6.10 40.46,59.38 38.52,57.44 38.52,45.58 35.56,42.62 IC1.9
MCU_EXT_PWR_DETECT: length 42.1
  Top w0.25: R27.2 R7.1 28.79,6.75 D2.1 29.49,6.74 31.31,8.56 31.31,15.64 28.41,18.54 28.41,33.71 25.85,36.27 IC1.25
MCU_HANDSET_PWR_BTN: length 79.9
  Top w0.25: 78.48,6.99 77.47,6.99 71.58,12.88 45.12,12.88 42.12,15.88 33.38,15.88 29.98,19.28 29.98,34.33 26.77,37.54 IC1.24 R21.2
MCU_HANDSET_UART_RX: length 26.2
  Top w0.25: 46.55,18.15 46.55,22.71 34.26,35 IC1.3 ; R19.1 R20.1
MCU_IGN_DETECT: length 31.4
  Top w0.25: 23.2,35.05 IC1.26 25.94,35 27.55,33.39 27.55,15.7 28.8,14.45 D1.1 R6.1 R26.2
MCU_IO_UART_RX: length 11.6
  Top w0.25: IC1.22 13.48,40.08 J8.2
MCU_IO_UART_TX: length 8.5
  Top w0.25: IC1.21 J8.3
MCU_MIC_DISABLE: length 32.5
  Top w0.25: IC1.7 35.48,40.08 39.79,44.4 39.79,56.68 41.23,58.11 50.43,58.11
MCU_SWITCHED_POWER_ENABLE: length 128.9
  Top w0.25: IC12.3 23.4,140.86 23.8,140.46 v1(28.08,140.46) ; IC13.3 32.92,141.46 v1(31.92,140.46) 31.92,125.17 26.98,120.23 21.61,120.23 19.53,118.15 19.53,74.76 28.24,66.05 28.24,40.29 26.76,38.81 IC1.23
  Bottom w0.25: v1(28.08,140.46) v1(31.92,140.46)
MCU_VOL_SPI_CS: length 55.2
  Top w0.25: IC1.14 32.6,49 33.42,49.82 33.42,60.71 37.96,65.25 74.65,65.25 IC7.1
MCU_VOL_SPI_SCK: length 55.2
  Top w0.25: IC1.13 33.55,47.7 34.7,48.84 34.7,59.84 38.84,63.99 IC7.2
MCU_VOL_SPI_SDIO: length 55.4
  Top w0.25: IC1.12 34.27,46.43 35.97,48.13 35.97,57.68 ; IC7.3 39.63,62.72 35.97,59.05 35.97,57.49
~{DIFF_AUDIO_OUT}: length 32.7
  Top w0.25: v1(80.05,32.16) IC9.5 IC9.6
  Bottom w0.25: 85.62,4.45 J2.1 85.53,4.46 85.53,26.69 80.06,32.16 v1(80.05,32.16)
~{MCU_HANDSET_UART_TX}: length 18.8
  Top w0.25: IC1.2 33.3,33.73 38.48,28.55 R17.2
Net-(C1-Pad1): length 3.6
  Top w0.25: C1.1 89.35,16.03
Net-(C1-Pad2): length 13.5
  Top w0.5: J3.2 91.97,6.7 C1.2 R3.2
Net-(C18-Pad2): length 27.6
  Top w0.25: C18.2 76.37,13.81 81.07,9.11 86.49,9.11 87.65,7.94 87.65,3.69 86.61,2.65 84.53,2.65 83.48,3.7 J2.3
Net-(C21-Pad1): length 4.9
  Top w0.25: R25.2 60.43,38.55 ; C21.1 C22.2
Net-(C24-Pad2): length 6.8
  Bottom w0.25: C24.2 58.92,25.54 J7.2 58.89,25.37
Net-(D3-A): length 7.8
  Top w0.25: Q2.1 40.27,10.3 D3.2
Net-(IC1-RB6/ICSPCLK): length 20.6
  Top w0.25: J6.1 7.12,31.22 9.63,33.73 IC1.27
Net-(IC1-RB7/ICSPDAT): length 17.5
  Top w0.25: IC1.28 11.01,32.46 9.66,31.12 J6.2
Net-(IC1-~{MCLR}/VPP/RE3): length 19.6
  Top w0.25: IC1.1 32.67,32.39 R22.2 31.77,27.75 v1(31.09,27.75) ; J6.5 v1(26.45,27.75)
  Bottom w0.25: v1(31.09,27.75) v1(26.45,27.75)
Net-(IC3-IN+): length 6.8
  Top w0.5: 22.2,102.91 C10.1 26.72,102.91 IC3.3 ; R9.2 R10.1
Net-(IC4-CAP+): length 4.1
  Top w0.5: C6.1 23.73,114.92 IC4.2
Net-(IC4-CAP-): length 3.7
  Top w0.5: C6.2 26.35,112.38
Net-(IC5-IN-): length 11
  Top w0.25: 55.04,36.24 IC5.6 ; IC5.6 51.64,36.27 49.1,38.81 IC5.2 ; IC5.6 55.03,36.25 R25.1
Net-(IC6-X0): length 5.8
  Top w0.25: IC6.12 50.83,56.84 51.5,56.17 51.5,53.7 50.83,53.03 IC6.15
Net-(IC7-P0W): length 6.5
  Top w0.25: IC7.6 81.05,62.72 82.55,61.21 C12.2
Net-(IC10-IN-): length 9.1
  Top w0.25: R2.1 R1.1 86.24,19.22 IC10.2
Net-(IC10-OUT): length 11.7
  Top w0.25: R2.2 82.51,17.31 82.51,23.59 IC10.6 81.46,24.6 C2.2
Net-(IC12-CT): length 2.3
  Top w0.25: IC12.4 C26.1
Net-(J1-Pad3): length 6.5
  Top w0.25: J1.3 18.85,13.8 R6.2
Net-(J3-Pad3): length 7.8
  Top w0.25: 95.45,17.35 R4.2 ; 95.45,17.35 R5.2 ; 95.45,17.35 J3.3
Net-(Q1-B): length 8.9
  Top w0.25: Q1.2 95.49,23.34 91.35,19.2 R4.1
Net-(Q2-B): length 8.8
  Top w0.25: Q2.2 38.48,14.69 R17.1
Net-(U1-+): length 18.3
  Top w3: U2.2 U1.1
Net-(U2-+): length 21.8
  Top w3: U2.1 55.78,129.09 55.78,129.4 55.75,129.43 55.75,139.94 U3.2
unconnected-(IC6-X1-Pad13): length 0
  Top w0.25: 50.41,55.55 50.43,55.57

## Copper pours and planes (outline as drawn; the poured copper is in the pictures)
GND on Top, Bottom: 121.54,20.65 123.03,20.37 124.66,19.34 125.45,17.79 125.5,15.86 125.03,14.01 123.86,13.04 122.51,12.73 120.98,12.71 119.5,13.22 118.02,14.61 117.55,15.75 117.53,17.22 118.04,18.78 119.57,20.13 120.66,20.52
GND on Top, Bottom: 3.65,184.02 5.14,183.74 6.77,182.71 7.56,181.16 7.61,179.23 6.9,177.57 5.73,176.6 4.62,176.1 3.09,176.08 1.61,176.59 0.13,177.98 -0.34,179.12 -0.36,180.59 -0.16,182.41 1.27,183.82 2.78,183.92
GND on Top, Bottom: 13.69,103.55 15.18,103.27 16.81,102.24 17.6,100.69 17.65,98.76 16.94,97.1 15.77,96.13 14.66,95.63 13.13,95.61 11.65,96.12 10.17,97.51 9.7,98.65 9.68,100.12 10.19,101.68 11.72,103.03 12.81,103.42
GND on Top, Bottom: 17.92,168.69 19.41,168.41 21.04,167.38 21.83,165.83 21.88,163.9 21.17,162.24 20,161.27 18.89,160.77 17.36,160.75 15.88,161.26 14.4,162.65 13.93,163.79 13.91,165.26 14.42,166.82 15.95,168.17 17.04,168.56
GND on Top, Bottom: 70.69,119.47 72.18,119.19 73.81,118.16 74.6,116.61 74.65,114.68 73.94,113.02 72.77,112.05 71.66,111.55 70.13,111.53 68.65,112.04 67.17,113.43 66.7,114.57 66.68,116.04 67.19,117.6 68.72,118.95 69.81,119.34
GND on Top, Bottom: -4.5,195.65 128.5,195.65 128.5,-3.35 -4.5,-3.35
GND on Top, Bottom: 119.11,174.99 120.6,174.71 122.23,173.68 123.02,172.13 123.07,170.2 122.36,168.54 121.19,167.57 120.08,167.07 118.55,167.05 117.07,167.56 115.59,168.95 115.12,170.09 115.1,171.56 115.61,173.12 117.14,174.47 118.23,174.86
GND on Top, Bottom: 115.87,105.14 117.36,104.86 118.99,103.83 119.78,102.28 119.83,100.35 119.12,98.69 117.95,97.72 116.84,97.22 115.31,97.2 113.83,97.71 112.35,99.1 111.88,100.24 111.86,101.71 112.37,103.27 113.9,104.62 114.99,105.01
GND on Top, Bottom: 62.55,11.24 64.04,10.96 65.67,9.93 66.46,8.38 66.51,6.45 65.8,4.79 64.63,3.82 63.52,3.32 61.99,3.3 60.51,3.81 59.03,5.2 58.56,6.34 58.54,7.81 59.05,9.37 60.58,10.72 61.67,11.11
GND on Top, Bottom: 69.22,170.38 70.71,170.1 72.34,169.07 73.13,167.52 73.18,165.59 72.47,163.93 71.3,162.96 70.19,162.46 68.66,162.44 67.18,162.95 65.7,164.34 65.23,165.48 65.21,166.95 65.72,168.51 67.25,169.86 68.34,170.25
GND on Top, Bottom: 3.49,16.16 4.98,15.88 6.61,14.85 7.4,13.3 7.45,11.37 6.74,9.71 5.57,8.74 4.46,8.24 2.93,8.22 1.45,8.73 -0.03,10.12 -0.5,11.26 -0.52,12.73 -0.01,14.29 1.52,15.64 2.61,16.03

## Text on the board
B.Silkscreen: ELECTRICAL / TAPE HERE | ELECTRICAL TAPE HERE
F.Silkscreen: PROGRAMMING | 5V UART I/O / 9600 BAUD | ICSPCLK | DiamondTel Model 92 / Car Phone Bluetooth Conversion / Motherboard / Version 2.0.0-alpha (incomplete) | GND | ICSPDAT | RXD | +5V | TXD | MCLR | BT MODULE | RST | MIC | SPK | Use only rechargeable 3.7V / Li-Ion batteries, size 14500 / DO NOT USE {dblquote}AA{dblquote} ALKALINE, / NICAD, OR NIMH BATTERIES! | ELECTRICAL / TAPE HERE | ELECTRICAL TAPE HERE
